# Altium PCB PASTE.PcbDoc (part 1 of 7)
Units mil, origin at the board's own origin, x right, y up, seen from the top; angles counter-clockwise.
Board outline 16220 x 11870 mil, 2 copper layers (Top Layer, Bottom Layer); 340 components, 0 nets, 1500 pads, 1280 vias.
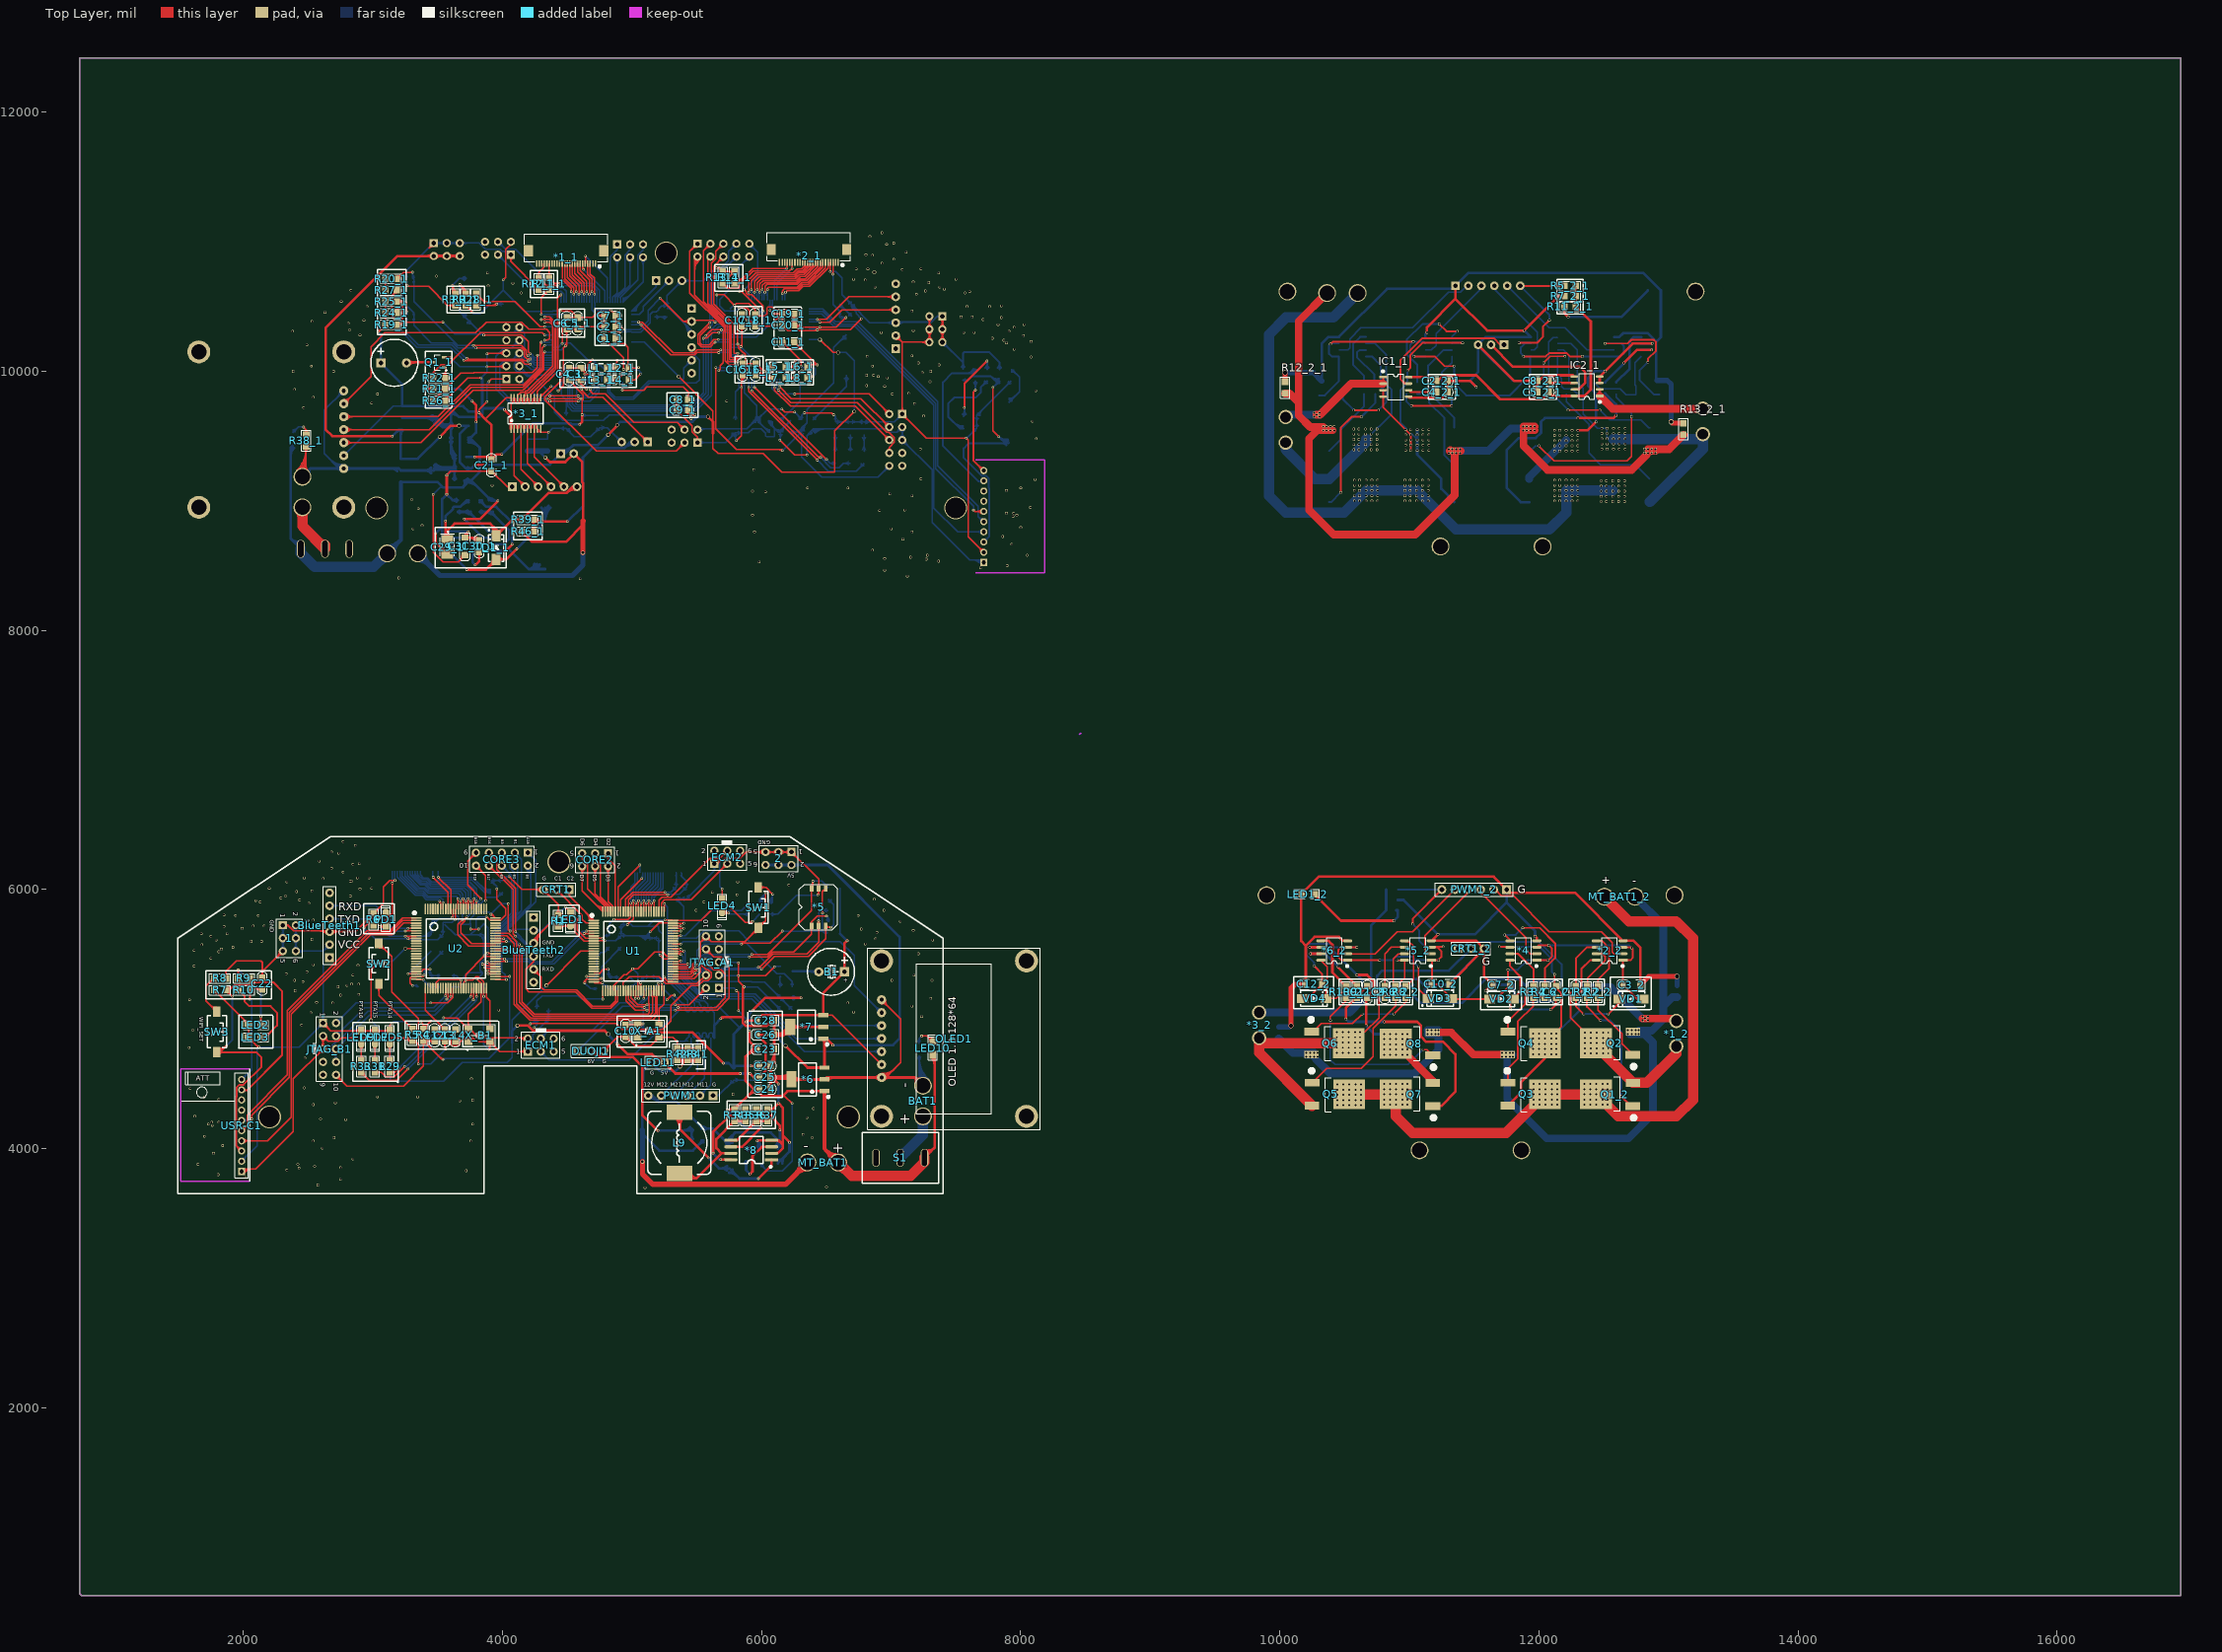
[diagram p0: Top Layer view]
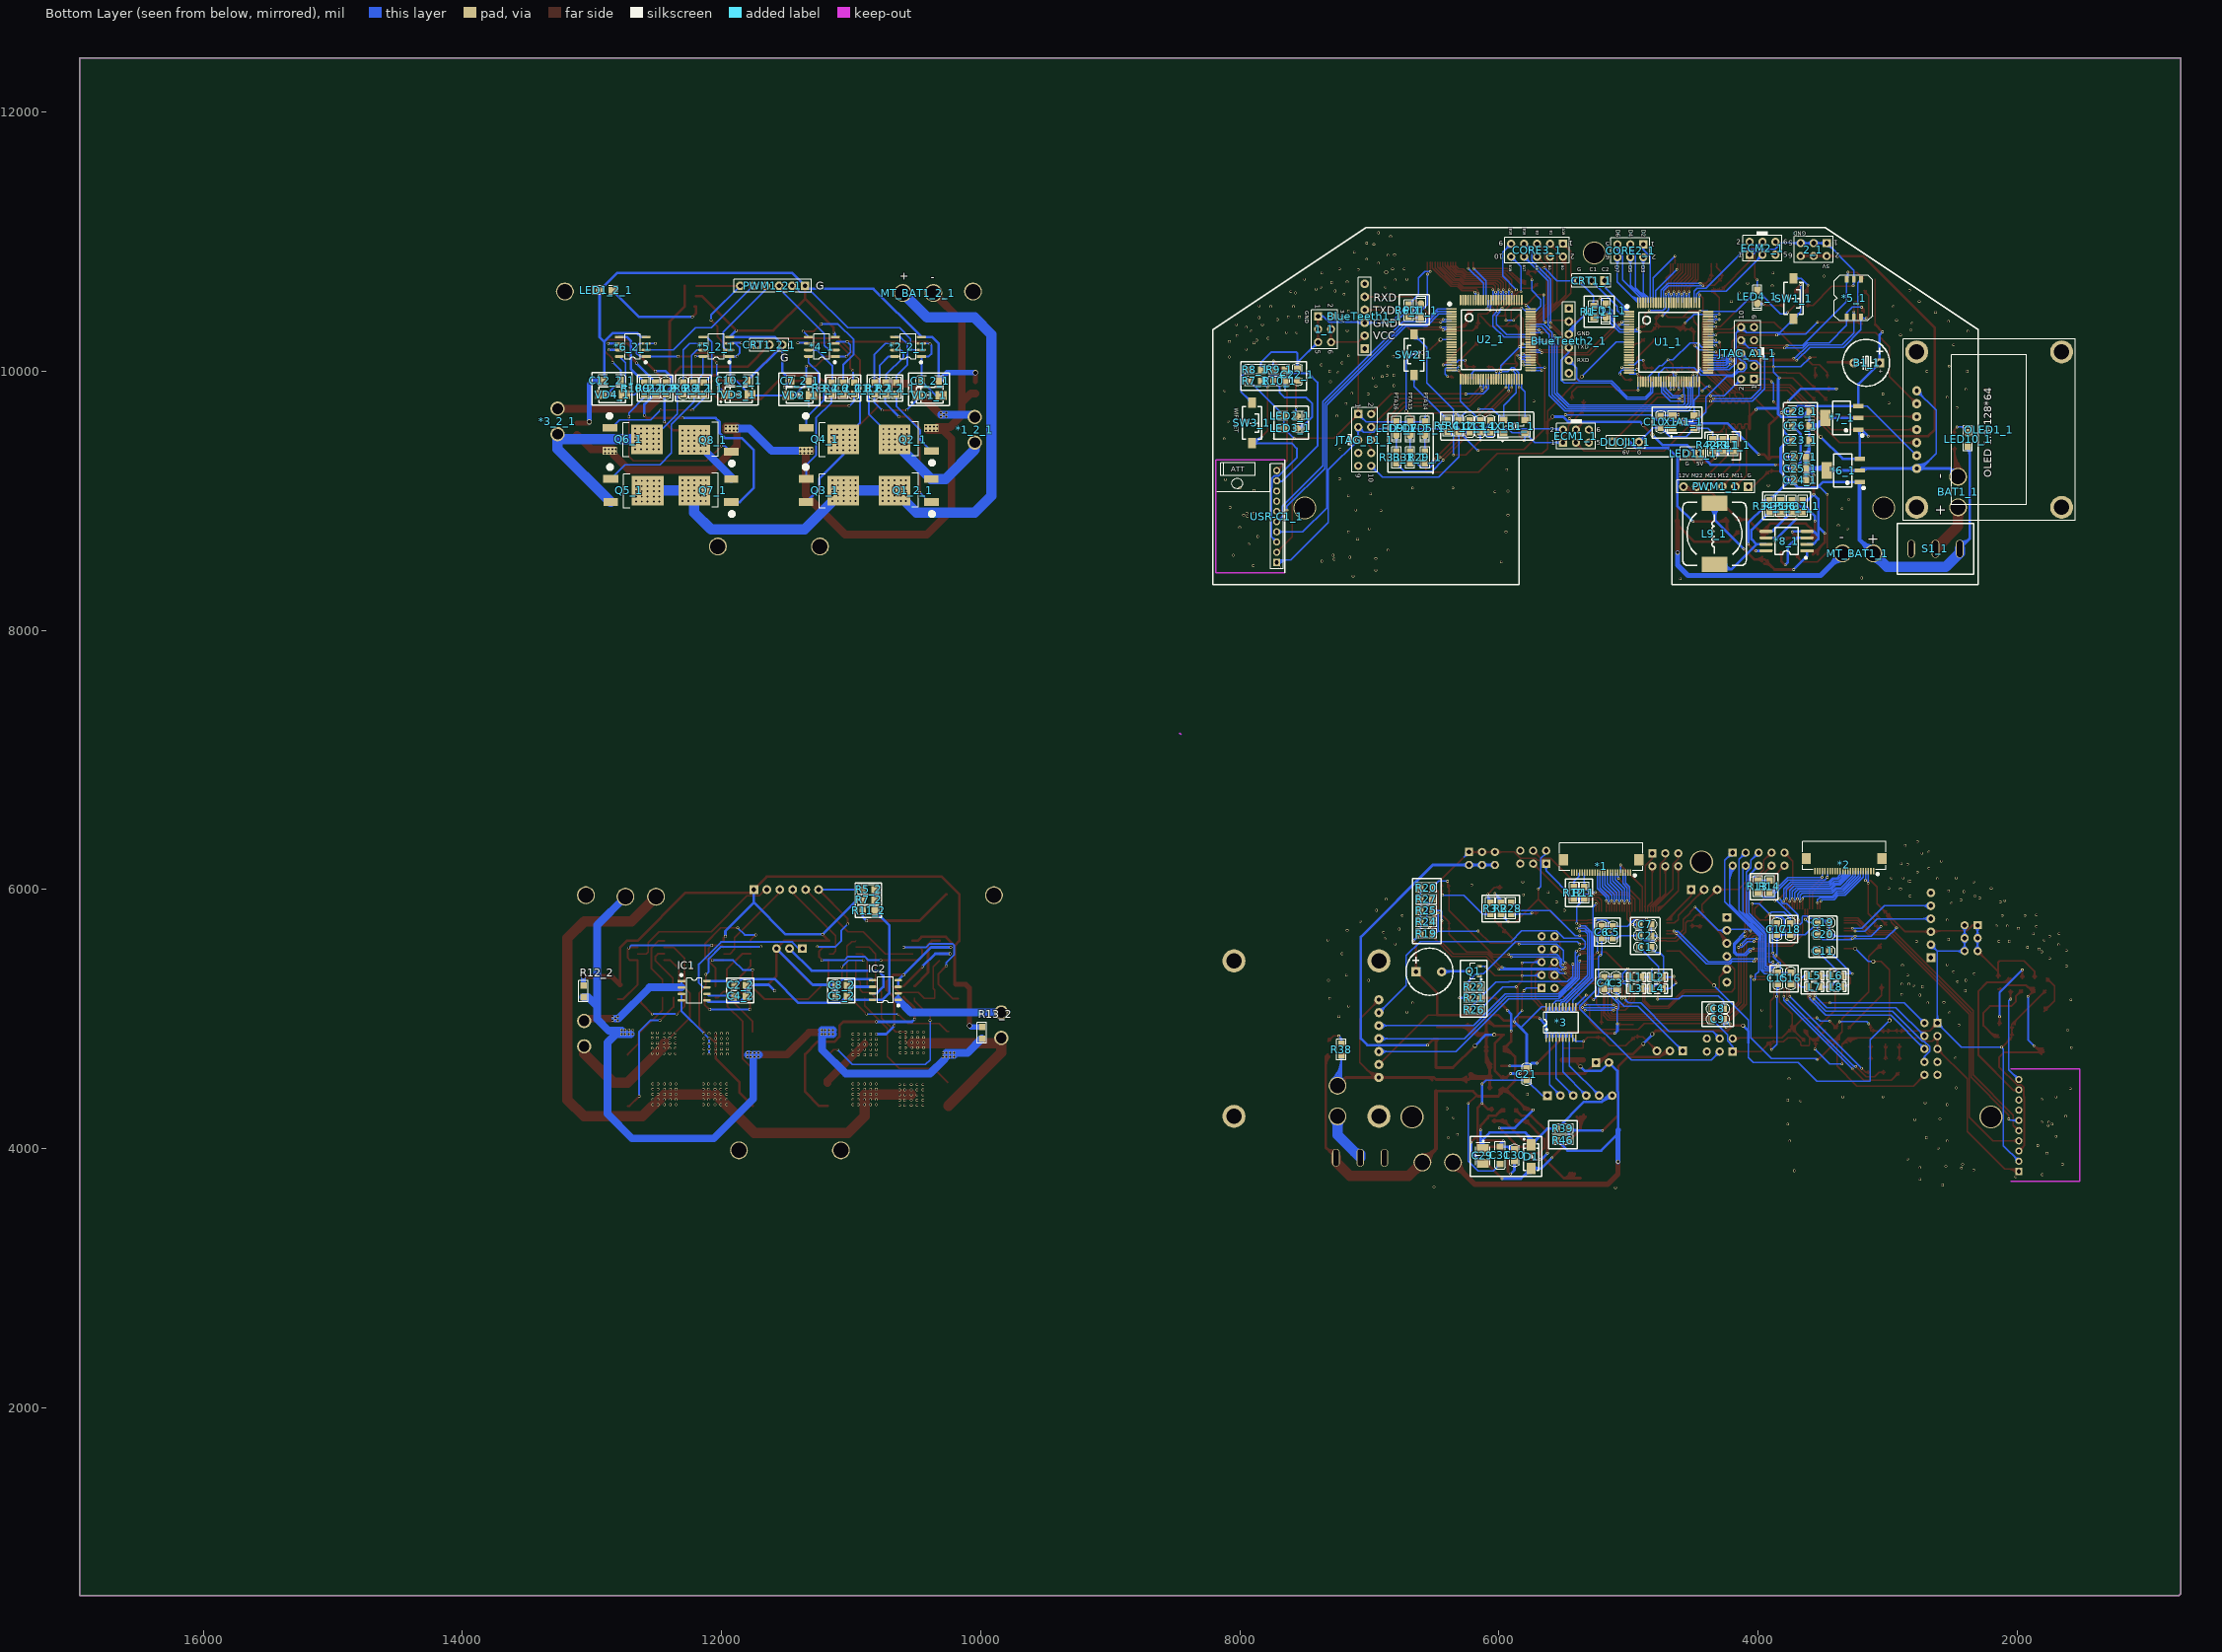
[diagram p1: Bottom Layer view, seen from below]

## Layer stack, top to bottom
Top Solder: solder mask 0.4, Solder Resist, Dk 3.5
Top Layer: signal copper 1.4
Dielectric 1: dielectric 12.6, FR-4, Dk 4.8
Bottom Layer: signal copper 1.4
Bottom Solder: solder mask 0.4, Solder Resist, Dk 3.5

## Board outline
735,565 750,550 16955,550 16955,12420 735,12420

## Design rules (kind name [scope] priority, off if disabled: settings)
Clearance [All] p1: gap=10
PolygonConnect [All] p1: connectstyle=Relief reliefconductorwidth=10 reliefentries=4 polygonreliefangle="90 Angle" airgapwidth=10
RoutingVias [All] p1: holewidth=28 width=50 viastyle="Through Hole" minholewidth=28 minwidth=50 maxholewidth=28 maxwidth=50
SolderMaskExpansion [All] p1: expansion=4
Width [All] p1: maxlimit=100 minlimit=10 preferedwidth=10 minimp=50.000000 maximp=50.000000 favimp=50.000000
29 further rules are at their usual default settings.

## Components (designator, comment, footprint, x,y, rotation, side; value= is the part's Value field where it differs from the comment)
1 "Header3X2" HDR-3X2 2305,5725 r270 top
1_1 "Header3X2" HDR-3X2 7395,10425 r270 bottom (schematic designator 1)
2 "Header3X2" HDR-3X2 6230,6290 r180 top
2_1 "Header3X2" HDR-3X2 3470,10990 r0 bottom (schematic designator 2)
*1 "FPC24P" "FPC0.5 2H-S-W-24P" 5210,6230 r0 bottom
*1_1 "FPC24P" "FPC0.5 2H-S-W-24P" 4490,10930 r180 top (schematic designator *1)
*1_2 "Motor" HOLE 13060,4790 r90 top (schematic designator *1)
*1_2_1 "Motor" HOLE 10045,9450 r90 bottom (schematic designator *1)
*2 "FPC24P" "FPC0.5 2H-S-W-24P" 3335,6240 r0 bottom
*2_1 "FPC24P" "FPC0.5 2H-S-W-24P" 6365,10940 r180 top (schematic designator *2)
*2_2 "IR2014S" SOP8_N 12545,5530 r180 top (schematic designator *2)
*2_2_1 "IR2014S" SOP8_N 10560,10190 r0 bottom (schematic designator *2)
*3 "74LVC245" TSSOP-20 5635,4855 r90 bottom
*3_1 "74LVC245" TSSOP-20 4065,9555 r90 top (schematic designator *3)
*3_2 "Motor" HOLE 9840,4855 r90 top (schematic designator *3)
*3_2_1 "Motor" HOLE 13265,9515 r90 bottom (schematic designator *3)
*4 "IR2014S" SOP8_N 11880,5530 r180 top
*4_1 "IR2014S" SOP8_N 11225,10190 r0 bottom (schematic designator *4)
*5 "小五向开关" 小五向开关 6440,5865 r180 top
*5_1 "小五向开关" 小五向开关 3260,10565 r0 bottom (schematic designator *5)
*5_2 "IR2014S" SOP8_N 11065,5530 r180 top (schematic designator *5)
*5_2_1 "IR2014S" SOP8_N 12040,10190 r0 bottom (schematic designator *5)
*6 "LM2940" SOT223_N 6355,4535 r90 top
*6_1 "LM2940" SOT223_N 3345,9235 r90 bottom (schematic designator *6)
*6_2 "IR2014S" SOP8_N 10420,5530 r180 top (schematic designator *6)
*6_2_1 "IR2014S" SOP8_N 12685,10190 r0 bottom (schematic designator *6)
*7 "LM2937" SOT223_N 6345,4940 r90 top
*7_1 "LM2937" SOT223_N 3355,9640 r90 bottom (schematic designator *7)
*8 "MC34063" SOP8W_M 5920,3990 r180 top
*8_1 "MC34063" SOP8W_M 3780,8690 r0 bottom (schematic designator *8)
B1 "DC5V" "BEEP 5x9x5.5" 6540,5365 r90 top
B1_1 "DC5V" "BEEP 5x9x5.5" 3160,10065 r90 bottom (schematic designator B1)
BAT1 "Header 2" POWER 7245,4250 r90 top
BAT1_1 "Header 2" POWER 2455,8950 r90 bottom (schematic designator BAT1)
BlueTeeth1 "HDR-1X6" HDR-1X6_M 2665,5475 r90 top
BlueTeeth1_1 "HDR-1X6" HDR-1X6_M 7035,10175 r90 bottom (schematic designator BlueTeeth1)
BlueTeeth2 "HDR-1X6" HDR-1X6_M 4240,5785 r270 top
BlueTeeth2_1 "HDR-1X6" HDR-1X6_M 5460,10485 r270 bottom (schematic designator BlueTeeth2)
C1 "105" "C 0805" 4870,5555 r180 bottom
C1_1 "105" "C 0805" 4830,10255 r0 top (schematic designator C1)
C1_2 "104" "C 0805" 12285,5210 r90 top (schematic designator C1)
C1_2_1 "104" "C 0805" 10820,9870 r90 bottom (schematic designator C1)
C2 "104" "C 0805" 4870,5645 r180 bottom
C2_1 "104" "C 0805" 4830,10345 r0 top (schematic designator C2)
C2_2 "104" "C 0805" 11855,5265 r0 bottom (schematic designator C2)
C2_2_1 "104" "C 0805" 11250,9925 r180 top (schematic designator C2)
C3 "104" "C 0805" 5095,5280 r270 bottom
C3_1 "104" "C 0805" 4605,9980 r270 top (schematic designator C3)
C3_2 "Cap Pol1" "CD A(3216)" 12715,5265 r0 top (schematic designator C3)
C3_2_1 "Cap Pol1" "CD A(3216)" 10390,9925 r180 bottom (schematic designator C3)
C4 "104" "C 0805" 5185,5280 r270 bottom
C4_1 "104" "C 0805" 4515,9980 r270 top (schematic designator C4)
C4_2 "103" "C 0805" 11855,5180 r0 bottom (schematic designator C4)
C4_2_1 "103" "C 0805" 11250,9840 r180 top (schematic designator C4)
C5 "104" "C 0805" 5120,5670 r90 bottom
C5_1 "104" "C 0805" 4580,10370 r90 top (schematic designator C5)
C5_2 "104" "C 0805" 11075,5180 r180 bottom (schematic designator C5)
C5_2_1 "104" "C 0805" 12030,9840 r0 top (schematic designator C5)
C6 "104" "C 0805" 5205,5670 r90 bottom
C6_1 "104" "C 0805" 4495,10370 r90 top (schematic designator C6)
C6_2 "104" "C 0805" 12130,5210 r90 top (schematic designator C6)
C6_2_1 "104" "C 0805" 10975,9870 r90 bottom (schematic designator C6)
C7 "104" "C 0805" 4870,5730 r180 bottom
C7_1 "104" "C 0805" 4830,10430 r0 top (schematic designator C7)
C7_2 "Cap Pol1" "CD A(3216)" 11710,5265 r180 top (schematic designator C7)
C7_2_1 "Cap Pol1" "CD A(3216)" 11395,9925 r0 bottom (schematic designator C7)
C8 "104" "C 0805" 4310,5080 r180 bottom
C8_1 "104" "C 0805" 5390,9780 r0 top (schematic designator C8)
C8_2 "103" "C 0805" 11075,5265 r180 bottom (schematic designator C8)
C8_2_1 "103" "C 0805" 12030,9925 r0 top (schematic designator C8)
C9 "105" "C 0805" 4310,5000 r180 bottom
C9_1 "105" "C 0805" 5390,9700 r0 top (schematic designator C9)
C9_2 "104" "C 0805" 10810,5210 r90 top (schematic designator C9)
C9_2_1 "104" "C 0805" 12295,9870 r90 bottom (schematic designator C9)
C10 "104" "C 0805" 4950,4910 r90 top
C10_1 "104" "C 0805" 4750,9610 r90 bottom (schematic designator C10)
C10_2 "Cap Pol1" "CD A(3216)" 11240,5270 r0 top (schematic designator C10)
C10_2_1 "Cap Pol1" "CD A(3216)" 11865,9930 r180 bottom (schematic designator C10)
C11 "105" "C 0805" 3495,5525 r180 bottom
C11_1 "105" "C 0805" 6205,10225 r0 top (schematic designator C11)
C11_2 "104" "C 0805" 10675,5210 r270 top (schematic designator C11)
C11_2_1 "104" "C 0805" 12430,9870 r270 bottom (schematic designator C11)
C12 "105" "C 0805" 3475,4875 r270 top
C12_1 "105" "C 0805" 6225,9575 r270 bottom (schematic designator C12)
C12_2 "Cap Pol1" "CD A(3216)" 10260,5270 r180 top (schematic designator C12)
C12_2_1 "Cap Pol1" "CD A(3216)" 12845,9930 r0 bottom (schematic designator C12)
C13 "104" "C 0805" 3555,4875 r90 top
C13_1 "104" "C 0805" 6145,9575 r90 bottom (schematic designator C13)
C14 "104" "C 0805" 3635,4875 r270 top
C14_1 "104" "C 0805" 6065,9575 r270 bottom (schematic designator C14)
C15 "104" "C 0805" 3845,5315 r90 bottom
C15_1 "104" "C 0805" 5855,10015 r90 top (schematic designator C15)
C16 "104" "C 0805" 3747,5315 r90 bottom
C16_1 "104" "C 0805" 5953,10015 r90 top (schematic designator C16)
C17 "104" "C 0805" 3852,5695 r90 bottom
C17_1 "104" "C 0805" 5848,10395 r90 top (schematic designator C17)
C18 "104" "C 0805" 3750,5695 r90 bottom
C18_1 "104" "C 0805" 5950,10395 r90 top (schematic designator C18)
C19 "104" "C 0805" 3495,5745 r180 bottom
C19_1 "104" "C 0805" 6205,10445 r0 top (schematic designator C19)
C20 "104" "C 0805" 3495,5655 r180 bottom
C20_1 "104" "C 0805" 6205,10355 r0 top (schematic designator C20)
C21 "105" "C 0805" 5785,4575 r90 bottom
C21_1 "105" "C 0805" 3915,9275 r90 top (schematic designator C21)
C22 "105" "C 0805" 2145,5275 r270 top
C22_1 "105" "C 0805" 7555,9975 r270 bottom (schematic designator C22)
C23 "Cap2" "CD A(3216)" 6030,4770 r0 top
C23_1 "Cap2" "CD A(3216)" 3670,9470 r180 bottom (schematic designator C23)
C24 "Cap" "C 0805" 6025,4460 r180 top
C24_1 "Cap" "C 0805" 3675,9160 r0 bottom (schematic designator C24)
C25 "Cap" "C 0805" 6025,4550 r180 top
C25_1 "Cap" "C 0805" 3675,9250 r0 bottom (schematic designator C25)
C26 "Cap2" "CD A(3216)" 6030,4880 r0 top
C26_1 "Cap2" "CD A(3216)" 3670,9580 r180 bottom (schematic designator C26)
C27 "Cap" "C 0805" 6025,4640 r180 top
C27_1 "Cap" "C 0805" 3675,9340 r0 bottom (schematic designator C27)
C28 "Cap2" "CD A(3216)" 6030,4990 r0 top
C28_1 "Cap2" "CD A(3216)" 3670,9690 r180 bottom (schematic designator C28)
C29 "Cap Pol1" 钽电容B型3528 6120,3940 r270 bottom
C29_1 "Cap Pol1" 钽电容B型3528 3580,8640 r270 top (schematic designator C29)
C30 "Cap" "C 0805" 5880,3949.45 r90 bottom
C30_1 "Cap" "C 0805" 3820,8649.45 r90 top (schematic designator C30)
C31 "Cap Pol1" "CD A(3216)" 5990,3949.45 r90 bottom
C31_1 "Cap Pol1" "CD A(3216)" 3710,8649.45 r90 top (schematic designator C31)
CORE2 "Header3X2" HDR-3X2 4815,6280 r180 top
CORE2_1 "Header3X2" HDR-3X2 4885,10980 r0 bottom (schematic designator CORE2)
CORE3 "Header 5X2" HDR-5X2 4195,6285 r180 top
CORE3_1 "Header 5X2" HDR-5X2 5505,10985 r0 bottom (schematic designator CORE3)
CRT1 "HDR-1X3" HDR-1X3 4515,6000 r180 top
CRT1_1 "HDR-1X3" HDR-1X3 5185,10700 r0 bottom (schematic designator CRT1)
CRT1_2 "HDR-1X3" HDR-1X3 11375,5545 r0 top (schematic designator CRT1)
CRT1_2_1 "HDR-1X3" HDR-1X3 11730,10205 r180 bottom (schematic designator CRT1)
D1 "IN5819" SMA 5750,3939.45 r90 bottom
D1_1 "IN5819" SMA 3950,8639.45 r90 top (schematic designator D1)
DUOJI1 "HDR-1X3" HDR-1X3 4580,4755 r0 top
DUOJI1_1 "HDR-1X3" HDR-1X3 5120,9455 r180 bottom (schematic designator DUOJI1)
ECM1 "Header3X2" HDR-3X2 4195,4750 r0 top
ECM1_1 "Header3X2" HDR-3X2 5505,9450 r180 bottom (schematic designator ECM1)
ECM2 "Header3X2" HDR-3X2 5635,6200 r0 top
ECM2_1 "Header3X2" HDR-3X2 4065,10900 r180 bottom (schematic designator ECM2)
IC1 "ACS712" SOP8_L 12210,5220 r180 bottom
IC1_1 "ACS712" SOP8_L 10895,9880 r0 top (schematic designator IC1)
IC2 "ACS712" SOP8_L 10735,5225 r0 bottom
IC2_1 "ACS712" SOP8_L 12370,9885 r180 top (schematic designator IC2)
JTAG_A1 "Header 5X2" HDR-5X2 5670,5240 r90 top
JTAG_A1_1 "Header 5X2" HDR-5X2 4030,9940 r90 bottom (schematic designator JTAG_A1)
JTAG_B1 "Header 5X2" HDR-5X2 2615,4970 r270 top
JTAG_B1_1 "Header 5X2" HDR-5X2 7085,9670 r270 bottom (schematic designator JTAG_B1)
L1 "4.8nH" "L 0805" 4940,5325 r180 bottom
L1_1 "4.8nH" "L 0805" 4760,10025 r0 top (schematic designator L1)
L2 "4.8nH" "L 0805" 4775,5325 r180 bottom
L2_1 "4.8nH" "L 0805" 4925,10025 r0 top (schematic designator L2)
L3 "4.8nH" "L 0805" 4940,5235 r180 bottom
L3_1 "4.8nH" "L 0805" 4760,9935 r0 top (schematic designator L3)
L4 "4.8nH" "L 0805" 4775,5235 r180 bottom
L4_1 "4.8nH" "L 0805" 4925,9935 r0 top (schematic designator L4)
L5 "4.8nH" "L 0805" 3565,5335 r180 bottom
L5_1 "4.8nH" "L 0805" 6135,10035 r0 top (schematic designator L5)
L6 "4.8nH" "L 0805" 3395,5335 r180 bottom
L6_1 "4.8nH" "L 0805" 6305,10035 r0 top (schematic designator L6)
L7 "4.8nH" "L 0805" 3565,5250 r180 bottom
L7_1 "4.8nH" "L 0805" 6135,9950 r0 top (schematic designator L7)
L8 "4.8nH" "L 0805" 3395,5250 r180 bottom
L8_1 "4.8nH" "L 0805" 6305,9950 r0 top (schematic designator L8)
L9 "Inductor" CDRH125 5365,4045 r90 top
L9_1 "Inductor" CDRH125 4335,8745 r90 bottom (schematic designator L9)
LED1 "红色" "LED 0805B" 4525,5770 r270 top
LED1_1 "红色" "LED 0805B" 5175,10470 r270 bottom (schematic designator LED1)
LED1_2 "红色" "LED 0805B" 10215,5965 r180 top (schematic designator LED1)
LED1_2_1 "红色" "LED 0805B" 12890,10625 r0 bottom (schematic designator LED1)
LED2 "红色" "LED 0805B" 2090,4955 r0 top
LED2_1 "红色" "LED 0805B" 7610,9655 r180 bottom (schematic designator LED2)
LED3 "红色" "LED 0805B" 2090,4860 r0 top
LED3_1 "红色" "LED 0805B" 7610,9560 r180 bottom (schematic designator LED3)
LED4 "红色" "LED 0805B" 5695,5875 r270 top
LED4_1 "红色" "LED 0805B" 4005,10575 r270 bottom (schematic designator LED4)
LED5 "红色" "LED 0805B" 3130,4860 r270 top
LED5_1 "红色" "LED 0805B" 6570,9560 r270 bottom (schematic designator LED5)
LED7 "红色" "LED 0805B" 3015,4860 r270 top
LED7_1 "红色" "LED 0805B" 6685,9560 r270 bottom (schematic designator LED7)
LED9 "红色" "LED 0805B" 2910,4860 r270 top
LED9_1 "红色" "LED 0805B" 6790,9560 r270 bottom (schematic designator LED9)
LED10 "红色" "LED 0805B" 7320,4775 r90 top
LED10_1 "红色" "LED 0805B" 2380,9475 r90 bottom (schematic designator LED10)
LED11 "HDR-1X2" HDR-1X2 5250,4665 r180 top
LED11_1 "HDR-1X2" HDR-1X2 4450,9365 r0 bottom (schematic designator LED11)
MT_BAT1 "Header 2" POWER 6590,3895 r180 top
MT_BAT1_1 "Header 2" POWER 3110,8595 r0 bottom (schematic designator MT_BAT1)
MT_BAT1_2 "Header 2" POWER 12505,5945 r0 top (schematic designator MT_BAT1)
MT_BAT1_2_1 "Header 2" POWER 10600,10605 r180 bottom (schematic designator MT_BAT1)
OLED1 "OLED 1.3-12864_7pin" "OLED 1.3-12864_7pin" 7485,4850 r90 top
OLED1_1 "OLED 1.3-12864_7pin" "OLED 1.3-12864_7pin" 2215,9550 r90 bottom (schematic designator OLED1)
PD1 "LED" "LED 0805R" 3100,5770 r90 top
PD1_1 "LED" "LED 0805R" 6600,10470 r90 bottom (schematic designator PD1)
PWM1 "HDR-1X6" HDR-1X6 5625,4410 r180 top
PWM1_1 "HDR-1X6" HDR-1X6 4075,9110 r0 bottom (schematic designator PWM1)
PWM1_2 "HDR-1X6" HDR-1X6 11750,6000 r180 top (schematic designator PWM1)
PWM1_2_1 "HDR-1X6" HDR-1X6 11355,10660 r0 bottom (schematic designator PWM1)
Q1 "SS8050" SOT23-3L 6195,5370 r90 bottom
Q1_1 "SS8050" SOT23-3L 3505,10070 r90 top (schematic designator Q1)
Q1_2 "44H11" TO252 12605,4420 r90 top (schematic designator Q1)
Q1_2_1 "44H11" TO252 10500,9080 r90 bottom (schematic designator Q1)
Q2 "44H11" TO252 12605,4815 r90 top
Q2_1 "44H11" TO252 10500,9475 r90 bottom (schematic designator Q2)
Q3 "44H11" TO252 11880,4420 r270 top
Q3_1 "44H11" TO252 11225,9080 r270 bottom (schematic designator Q3)
Q4 "44H11" TO252 11880,4815 r270 top
Q4_1 "44H11" TO252 11225,9475 r270 bottom (schematic designator Q4)
Q5 "44H11" TO252 10370,4420 r270 top
Q5_1 "44H11" TO252 12735,9080 r270 bottom (schematic designator Q5)
Q6 "44H11" TO252 10365,4815 r270 top
Q6_1 "44H11" TO252 12740,9475 r270 bottom (schematic designator Q6)
Q7 "44H11" TO252 11060,4420 r90 top
Q7_1 "44H11" TO252 12045,9080 r90 bottom (schematic designator Q7)
Q8 "44H11" TO252 11060,4810 r90 top
Q8_1 "44H11" TO252 12045,9470 r90 bottom (schematic designator Q8)
R1 "10K" "R 0805" 4430,5760 r90 top
R1_1 "10K" "R 0805" 5270,10460 r90 bottom (schematic designator R1)
R1_2 "1K" "R 0805" 12370,5210 r270 top (schematic designator R1)
R1_2_1 "1K" "R 0805" 10735,9870 r270 bottom (schematic designator R1)
R2 "4.7K" "R 0805" 5985,5855 r270 bottom
R2_1 "4.7K" "R 0805" 3715,10555 r270 top (schematic designator R2)
R2_2 "1K" "R 0805" 12455,5210 r270 top (schematic designator R2)
R2_2_1 "1K" "R 0805" 10650,9870 r270 bottom (schematic designator R2)
R3 "100R" "R 0805" 6065,5855 r90 bottom
R3_1 "100R" "R 0805" 3635,10555 r90 top (schematic designator R3)
R3_2 "1K" "R 0805" 11955,5210 r270 top (schematic designator R3)
R3_2_1 "1K" "R 0805" 11150,9870 r270 bottom (schematic designator R3)
R4 "4.7K" "R 0805" 3390,4880 r90 top
R4_1 "4.7K" "R 0805" 6310,9580 r90 bottom (schematic designator R4)
R4_2 "1K" "R 0805" 12045,5210 r270 top (schematic designator R4)
R4_2_1 "1K" "R 0805" 11060,9870 r270 bottom (schematic designator R4)
R5 "100R" "R 0805" 3305,4880 r90 top
R5_1 "100R" "R 0805" 6395,9580 r90 bottom (schematic designator R5)
R5_2 "1K" "R 0805" 10865,6000 r180 bottom (schematic designator R5)
R5_2_1 "1K" "R 0805" 12240,10660 r0 top (schematic designator R5)
R6 "10K" "R 0805" 3005,5770 r90 top
R6_1 "10K" "R 0805" 6695,10470 r90 bottom (schematic designator R6)
R6_2 "1K" "R 0805" 10890,5210 r270 top (schematic designator R6)